# Altium PCB SCAP-PI.PcbDoc (continued)
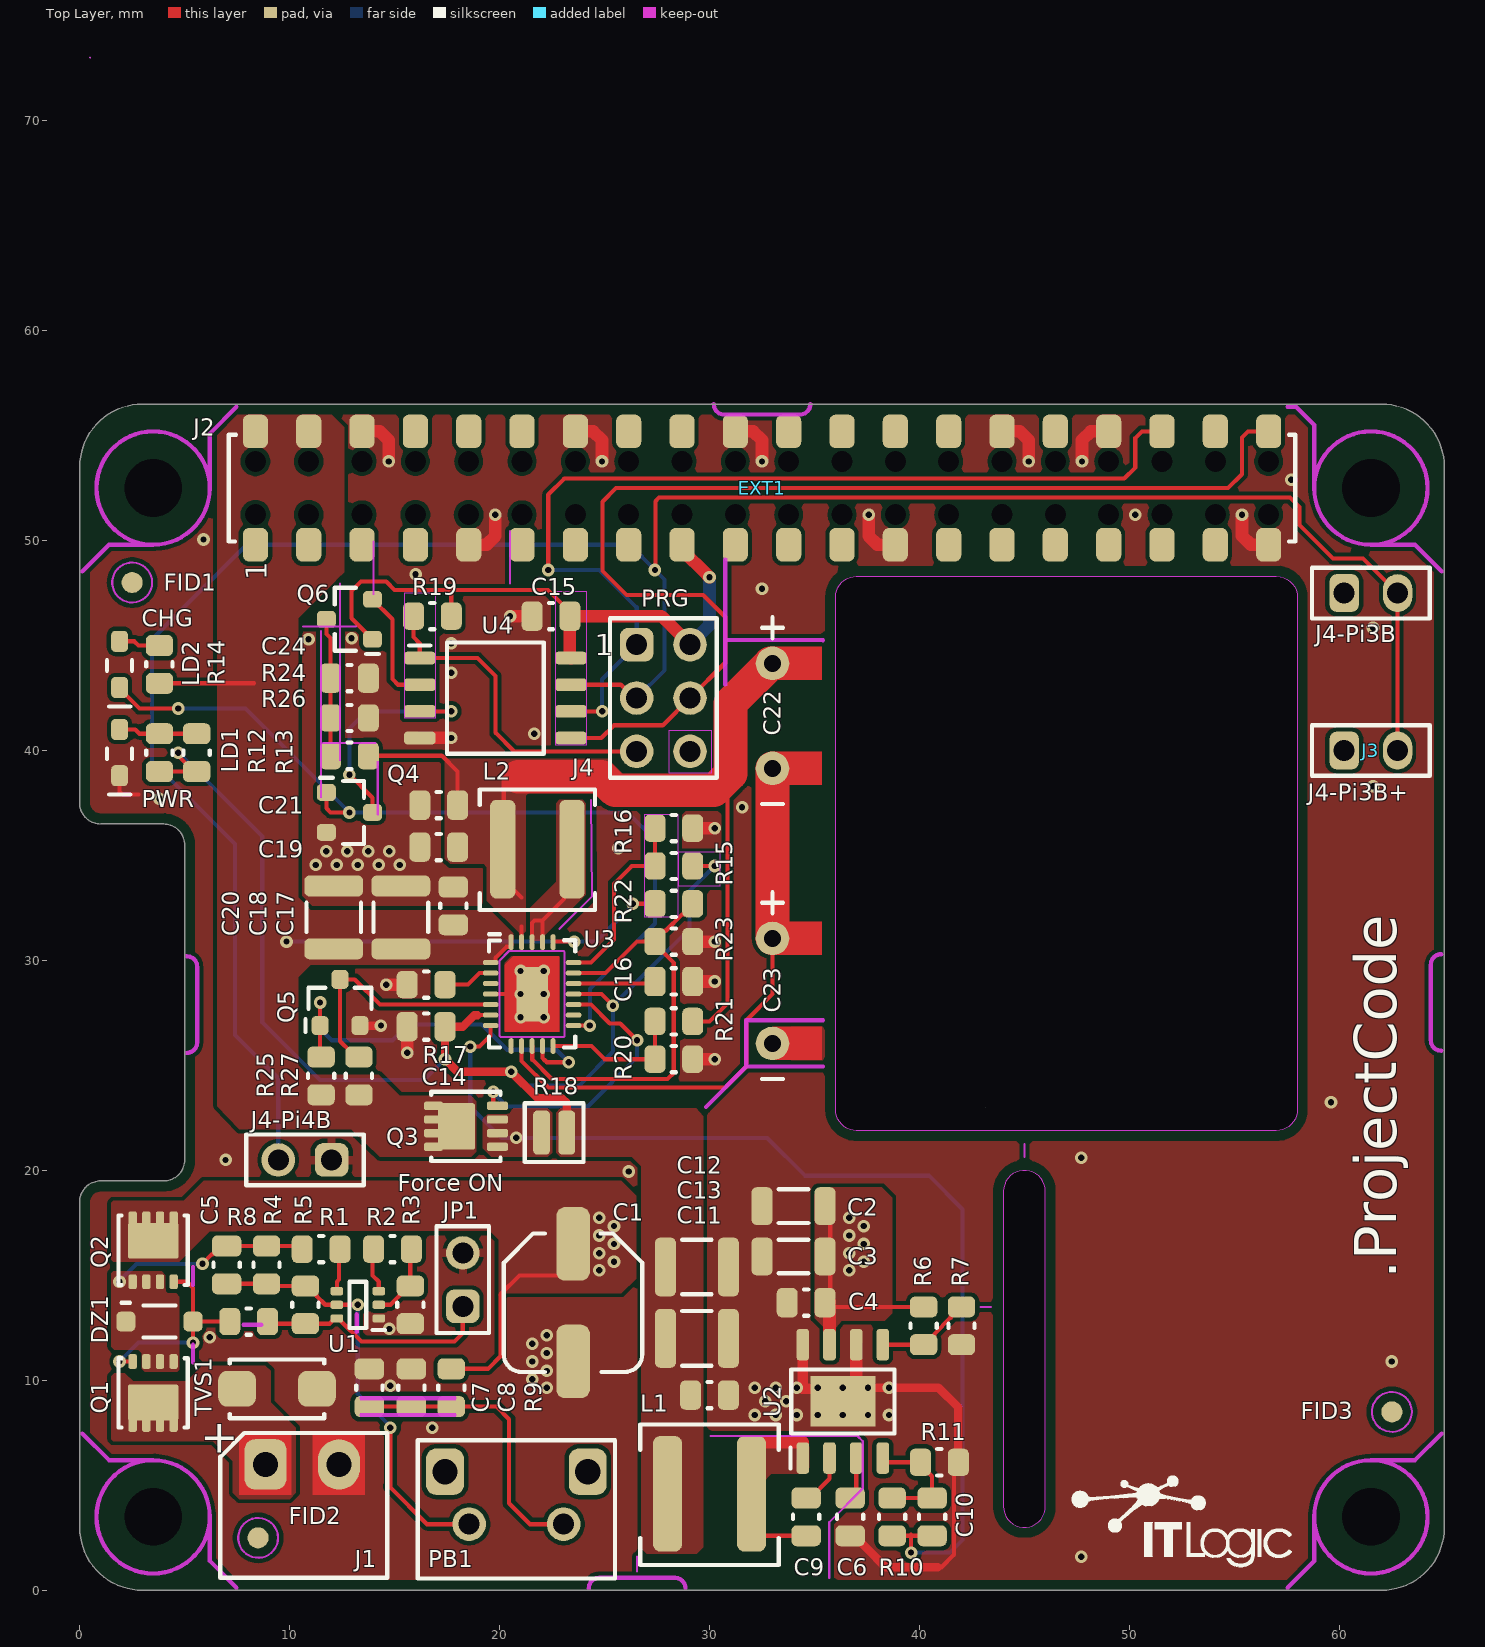
[diagram p0: Top Layer view]
## Footprints (in the part's own frame and the unit in brackets; to place one, negate y for a bottom-side part, rotate by r counter-clockwise, add the part's x,y. Pads: shape width x height; smd on the part's side, far side on the other; paste and mask are expansions set on the pad)
691322110002 [mm] "Conn Term Block Header 2 Pos 3.5 mm"
  rrect50% 2x2.4 hole 1.2: 1(-1.75,0)
  oval 2x2.4 hole 1.2: 2(1.75,0)
  silkscreen extent -3.9,-5.4 4.05,1.5, body extent -4.05,-8 4.05,1.2, height 7.23
BUT-1-1825027-4 [mm] "Button 1-1825027-4"
  round 1.6 hole 1: 1(-2.25,0) 2(2.25,0)
  rrect50% 1.8x2.2 hole 1.2: S(-3.4,2.5) S(3.4,2.5)
  silkscreen extent -4.7,-2.59 4.7,4, body extent -4.2,-6.15 4.2,4, height 7.02
C0805-H10 [mm] "Chip Capacitor, 2-Leads, Body 2.00x1.25mm, IPC Medium Density"
  rrect50% 1x1.4 smd: 1(-0.9,0) 2(0.9,0)
  silkscreen extent -0.1,-0.62 0.1,0.63, body extent -1,-0.62 1,0.63, height 1
C0805-H140 [mm] "Chip Capacitor, 2-Leads, Body 2.00x1.25mm, IPC Medium Density"
  rrect50% 1x1.4 smd: 1(-0.9,0) 2(0.9,0)
  silkscreen extent -0.1,-0.62 0.1,0.63, body extent -1,-0.62 1,0.63, height 1.4
C1206-H180 [mm] "Chip Capacitor, 2-Leads, Body 3.20x1.60mm, IPC Medium Density"
  rrect50% 1x1.8 smd: 1(-1.5,0) 2(1.5,0)
  silkscreen extent -0.7,-0.8 0.7,0.8, body extent -1.6,-0.8 1.6,0.8, height 1.8
C1210-H250 [mm] "Chip Capacitor, 2-Leads, Body 3.10x2.60mm, IPC Medium Density"
  rrect50% 1x2.8 smd: 1(-1.5,0) 2(1.5,0)
  silkscreen extent -0.7,-1.3 0.7,1.3, body extent -1.6,-1.25 1.6,1.25, height 2.5
C-AE-C6-H60 [mm] "Aluminum Electrolytic Capacitor, Body D 6.3mm H 6.0mm, IPC Medium Density"
  rrect50% 3.5x1.6 smd: 1(-2.8,0) 2(2.8,0)
  silkscreen extent -3.3,-3.3 3.3,3.3, body extent -3.65,-3.3 3.65,3.3, height 5.91
C-SCCT20B106PRB-ORIZ [mm] "Supercapacitors AVX 20x12.5 mm Orizontal Bottom Side"
  round 1.6 hole 0.8: 1(0,2.5) 2(0,-2.5)
  silkscreen extent -0.5,-4.2 0.5,4.7, body extent -0.3,-6.5 24.8,6.5, height 4.5
"DO-214AC-SMA-NO POL" [mm] "Molded Diode, 2-Leads, Body 4.25x2.67mm, IPC Medium Density"
  rrect50% 1.8x1.7 smd: 1(-1.9,0) 2(1.9,0)
  silkscreen extent -2.25,-1.4 2.25,1.4, body extent -2.47,-1.38 2.47,1.41, height 2.3
FID-1-2MM [mm] "Fiducial 1.0mm Diameter, 2.0mm Mask"
  round 1 smd paste-1 mask+0.5: F(0,0)
  Top Layer keep-out circle w0.1: c0,0 r0.95
HDR-V-1R-02P-5.8L [mm] "Breakaway Header - Vert - 1 Row - 2 Pos - 6 mm Lenght"
  rrect50% 1.6x1.6 hole 1: 1(0,1.27)
  round 1.6 hole 1: 2(0,-1.27)
  silkscreen extent -1.25,-2.54 1.25,2.54, body extent -1.25,-2.54 1.25,2.54, height 8.35
HDR-V-2R-03P-5.8L [mm] "Breakaway Header - Vert - 2 Row - 3 Pos - 6 mm Lenght"
  rrect50% 1.6x1.6 hole 1: 1(-1.27,2.54)
  round 1.6 hole 1: 2(1.27,2.54) 3(-1.27,0) 4(1.27,0) 5(-1.27,-2.54) 6(1.27,-2.54)
  silkscreen extent -2.54,-3.8 2.54,3.8, body extent -2.52,-3.81 2.52,3.81, height 8.35
HLE-120-02-F-DV-BE [mm] "BPost Socket Header Vert - 2 Row - 20 Pos - 10 mm Lenght"
  rrect50% 1.6x1.2 smd: 1(-2.7,24.13) 2(2.7,24.13) 3(-2.7,21.59) 4(2.7,21.59) 5(-2.7,19.05) 6(2.7,19.05) 7(-2.7,16.51) 8(2.7,16.51) 9(-2.7,13.97) 10(2.7,13.97) 11(-2.7,11.43) 12(2.7,11.43) 13(-2.7,8.89) 14(2.7,8.89) 15(-2.7,6.35) 16(2.7,6.35) 17(-2.7,3.81) 18(2.7,3.81) 19(-2.7,1.27) 20(2.7,1.27) 22(2.7,-1.27) 23(-2.7,-3.81) 24(2.7,-3.81) 25(-2.7,-6.35) 26(2.7,-6.35) 27(-2.7,-8.89) 28(2.7,-8.89) 29(-2.7,-11.43) 30(2.7,-11.43) 31(-2.7,-13.97) 32(2.7,-13.97) 33(-2.7,-16.51) 34(2.7,-16.51) 35(-2.7,-19.05) 36(2.7,-19.05) 37(-2.7,-21.59) 38(2.7,-21.59) 39(-2.7,-24.13) 40(2.7,-24.13)
  rrect50% 1.6x1.2 smd mask+0.05: 21(-2.7,-1.27)
  round 0 hole 1 unplated: ""(-1.27,24.13) ""(-1.27,21.59) ""(-1.27,16.51) ""(-1.27,19.05) ""(-1.27,13.97) ""(-1.27,11.43) ""(-1.27,8.89) ""(-1.27,6.35) ""(-1.27,3.81) ""(-1.27,-1.27) ""(-1.27,1.27) ""(-1.27,-3.81) ""(-1.27,-6.35) ""(-1.27,-8.89) ""(-1.27,-11.43) ""(-1.27,-13.97) ""(-1.27,-19.05) ""(-1.27,-16.51) ""(-1.27,-21.59) ""(-1.27,-24.13) ""(1.27,24.13) ""(1.27,21.59) ""(1.27,16.51) ""(1.27,19.05) ""(1.27,13.97) ""(1.27,11.43) ""(1.27,8.89) ""(1.27,6.35) ""(1.27,3.81) ""(1.27,-1.27) ""(1.27,1.27) ""(1.27,-3.81) ""(1.27,-6.35) ""(1.27,-8.89) ""(1.27,-11.43) ""(1.27,-13.97) ""(1.27,-19.05) ""(1.27,-16.51) ""(1.27,-21.59) ""(1.27,-24.13)
  silkscreen extent -2.54,-25.4 2.54,25.4, body extent -3.29,-25.4 3.29,25.4, height 3.67
IND-XAL5030 [mm] "Inductor - Coilcraft XAL5030 Series"
  rrect50% 1.2x4.7 smd: 1(-1.65,0) 2(1.65,0)
  silkscreen extent -2.74,-2.84 2.74,2.9, body extent -2.74,-2.84 2.74,2.84, height 3.11
IND-XAL6060 [mm] "Inductor - Coilcraft XAL6060 Series"
  rrect50% 1.4x5.5 smd: 1(-2,0) 2(2,0)
  silkscreen extent -3.3,-3.3 3.3,3.4, body extent -3.28,-3.38 3.28,3.38, height 6.11
LED-0805-G-SIDE [mm] "Chip LED, Green, 2-Leads, Side View, Body 2.00x1.25mm, IPC Medium Density"
  rrect50% 0.8x1 smd: 1(0,1.1) 2(0,-1.1)
  silkscreen extent -0.6,-0.2 0.6,2, body extent -0.25,-1.05 0.77,1.05, height 0.6
LED-0805-Y-SIDE [mm] "Chip LED, Yellow, 2-Leads, Side View, Body 2.00x1.25mm, IPC Medium Density"
  rrect50% 0.8x1 smd: 1(0,1.1) 2(0,-1.1)
  silkscreen extent -0.6,-0.2 0.6,2, body extent -0.25,-1.05 0.77,1.05, height 0.6
PowerDI3333-8-S [mm] "PowerDI3333-8 Single"
  rrect50% 0.7x0.4 smd paste-0.04: 1(-1.5,0.975) 1(-1.5,-0.325) 1(-1.5,0.325) 2(-1.5,-0.975) 3(1.5,0.975) 3(1.5,-0.325) 3(1.5,0.325) 3(1.5,-0.975)
  rrect10% 1.7x2.4 smd paste-2.4: 3(0.45,0)
  silkscreen extent -1.65,-1.65 1.65,1.65, body extent -1.65,-1.65 1.65,1.65, height 0.82
POWERPAK-1212-8-S [mm] "PowerPAK 1212-8 Single"
  rrect50% 1x0.4 smd: 1(-1.5,0.975) 1(-1.5,-0.325) 1(-1.5,0.325) 2(-1.5,-0.975)
  rrect10% 1.75x2.2 smd paste-2.2: 3(0.45,0)
  rrect50% 0.9x0.4 smd: 3(1.55,0.975) 3(1.55,-0.325) 3(1.55,0.325) 3(1.55,-0.975)
  silkscreen extent -1.65,-1.65 1.65,1.65, body extent -1.65,-1.65 1.65,1.65, height 1.04
QFN-50x40-24-THP [mm] "QFN, 24-Leads, Body 4.00x5.00mm, Pitch 0.50mm, Thermal Pad 2.65x3.65mm, IPC Medium Density"
  oval 0.75x0.25 smd paste-0.04: 1(-1.975,1.5) 2(-1.975,1) 3(-1.975,0.5) 4(-1.975,0) 5(-1.975,-0.5) 6(-1.975,-1) 7(-1.975,-1.5) 13(1.975,-1.5) 14(1.975,-1) 15(1.975,-0.5) 16(1.975,0) 17(1.975,0.5) 18(1.975,1) 19(1.975,1.5)
  oval 0.25x0.75 smd paste-0.04: 8(-1,-2.475) 9(-0.5,-2.475) 10(0,-2.475) 11(0.5,-2.475) 12(1,-2.475) 20(1,2.475) 21(0.5,2.475) 22(0,2.475) 23(-0.5,2.475) 24(-1,2.475)
  rect 1.5x2.6 smd paste-2.6: 25(0,0)
  Top Layer region: -1.3,-1.75 -1.296,-1.769 -1.285,-1.785 -1.269,-1.796 -1.25,-1.8 -1.25,-1.8 1.25,-1.8 1.269,-1.796 1.285,-1.785 1.296,-1.769 1.3,-1.75 1.3,-1.75 1.3,1.75 1.296,1.769 1.285,1.785 1.269,1.796 1.25,1.8 1.25,1.8 -0.9,1.8 -1.3,1.4
  silkscreen extent -2.06,-2.55 2.05,2.85, body extent -2.06,-2.56 2.06,2.56, height 0.8
R0508-H60 [mm] "Chip Resistor, 2-Leads, Body 1.25x2.00mm, IPC Medium Density"
  rrect50% 0.8x2.1 smd: 1(-0.6,0) 2(0.6,0)
  silkscreen extent -1.4,-1.4 1.4,1.4, body extent -0.63,-1 0.63,1, height 0.6
R0805-H60 [mm] "Chip Resistor, 2-Leads, Body 2.00x1.25mm, IPC Medium Density"
  rrect50% 1x1.3 smd: 1(-0.9,0) 2(0.9,0)
  silkscreen extent -0.1,-0.62 0.1,0.63, body extent -1,-0.62 1,0.63, height 0.6
SOD-123 [mm] "SOD 123"
  rrect50% 0.9x0.95 smd: 1(-1.6,0) 2(1.6,0)
  silkscreen extent -1.8,-0.76 0.76,0.9, body extent -1.85,-0.77 1.85,0.78, height 1.26
SOIC-8-N-HT [mm] "SOIC 8 Pin - Thermal Pad - TI R-PDSO-G8"
  rrect50% 1.5x0.6 smd: 1(-2.7,1.905) 2(-2.7,0.635) 3(-2.7,-0.635) 4(-2.7,-1.905) 5(2.7,-1.905) 6(2.7,-0.635) 7(2.7,0.635) 8(2.7,1.905)
  rect 2.4x3.1 smd paste-3.1 mask+0: 9(0,0)
  silkscreen extent -3.2,-2.46 1.52,2.5, body extent -3,-2.45 3,2.45, height 1.57
SOIC-8-W [mm] "SOIC, 8-Leads, Body 5.20x5.30mm, Pitch 1.27mm, IPC Medium Density"
  rrect50% 1.5x0.6 smd: 1(-3.6,1.905) 2(-3.6,0.635) 3(-3.6,-0.635) 4(-3.6,-1.905) 5(3.6,-1.905) 6(3.6,-0.635) 7(3.6,0.635) 8(3.6,1.905)
  silkscreen extent -4.1,-2.65 2.3,2.65, body extent -3.98,-2.65 3.98,2.65, height 2.1
SOT-23 [mm] "SOT23, 3-Leads, Body 2.90x2.45mm, Pitch 0.95mm, IPC Medium Density"
  rrect50% 0.9x0.8 smd: 1(-1.1,0.95) 2(-1.1,-0.95) 3(1.1,0)
  silkscreen extent -1.4,-1.5 0.7,1.65, body extent -1.25,-1.5 1.25,1.5, height 1.1
SOT-363 [mm] "SOT-363"
  rrect50% 0.6x0.4 smd: 1(-1,0.65) 2(-1,0) 3(-1,-0.65) 4(1,-0.65) 5(1,0) 6(1,0.65)
  silkscreen extent -1.3,-1.1 0.4,1.2, body extent -1.05,-1.07 1.05,1.08, height 1.1
SSQ-102-01-S-BOTTOM [mm] "BPost Socket Header Vert - 1 Row - 2 Pos - 3 mm Lenght"
  rrect50% 1.4x1.8 hole 1: 1(-1.27,0)
  oval 1.4x1.8 hole 1: 2(1.27,0)
  silkscreen extent -2.8,-1.21 2.8,1.21, body extent -2.79,-1.21 2.79,1.21, height 8.52
SSQ-120-03-D-BOTTOM [mm] "BPost Socket Header Vert - 2 Row - 20 Pos - 10 mm Lenght"
  body extent -2.48,-25.65 2.48,25.65, height 8.52

## Part data
C1: library part EEE-FT1V101AP, "Cap Electrolytic Alu 100uF 300V 20% (5.8 X 6.1mm) SMD 600mA 2000h 105C", Capacitance=100uF, Case=D8, Manufacturer=Panasonic, Resistance=0.26R, Voltage Rating=35V, ComponentLink1Description="Data Sheet", ComponentLink1URL=https://industrial.panasonic.com/cdbs/www-data/pdf/RDE0000/ABA0000C1240.pdf, Manufacturer Part Number=EEE-FT1V101AP, Mount="Surface Mount"
C2 C3: library part GRT31CR61H106ME01L, "Cap 1206 Case Ceramic 10uF 50V X5S 20%", Capacitance=10uF, Case=1206, Dielectric=X5R, Manufacturer=Murata, Voltage Rating=50V, ComponentLink1Description="Data Sheet", ComponentLink1URL=https://www.mouser.com/datasheet/2/400/lcc_commercial_general_en-837201.pdf, Manufacturer Part Number=GRT31CR61H106ME01L, Mount="Surface Mount"
C4 C7 C8 C9 C11 C15 C16 C17 C19 C24: library part C0805C104K5RACTU, "Cap 0805 Case Ceramic 100nF 50V X7R", Case=0805, Dielectric=X7R, Manufacturer=KEMET, Voltage Rating=50V, Capacitance=100nF, ComponentLink1Description="Data Sheet", ComponentLink1URL=https://datasheet.ciiva.com/14589/70095383-14589048.pdf, Manufacturer Part Number=C0805C104K5RACTU, Mount="Surface Mount"
C5: library part C0805C103K5RACTU, "Cap 0805 Case Ceramic 10nF 50V X7R", Case=0805, Dielectric=X7R, Manufacturer=KEMET, Voltage Rating=50V, Capacitance=10nF, ComponentLink1Description="Data Sheet", ComponentLink1URL=https://datasheet.ciiva.com/5904/kem-c1002-x7r-smd-5904709.pdf, Manufacturer Part Number=C0805C103K5RACTU, Mount="Surface Mount"
C6 C14 C21: library part C0805C225K4RACTU, "Cap 0805 Case Ceramic 2.2uF 16V X7R 10%", Capacitance=22uF, Case=0805, Dielectric=X7R, Manufacturer=KEMET, Voltage Rating=16V, ComponentLink1Description="Data Sheet", ComponentLink1URL=http://components.arrow.com/part/dataview/0323_07281823, Manufacturer Part Number=C0805C225K4RACTU, Mount="Surface Mount"
C10: library part C0805C510K5GACTU, "Cap 0805 Case Ceramic 51pF 50V C0G 10%", Case=0805, Dielectric=C0G, Manufacturer=KEMET, Voltage Rating=50V, Capacitance=51pF, ComponentLink1Description="Data Sheet", ComponentLink1URL=https://www.mouser.com/datasheet/2/212/KEM_C1003_C0G_SMD-1101588.pdf, Manufacturer Part Number=C0805C510K5GACTU, Mount="Surface Mount"
C12 C13 C18 C20: library part GRM32ER61A107ME20L, "Cap 1210 Case Ceramic 100uF 10V X5S 20%", Capacitance=100uF, Case=1210, Dielectric=X5R, Manufacturer=Murata, Voltage Rating=10V, ComponentLink1Description="Data Sheet", ComponentLink1URL=https://www.mouser.com/datasheet/2/400/lcc_commercial_general_en-837201.pdf, Manufacturer Part Number=GRM32ER61A107ME20L, Mount="Surface Mount"
C22 C23: library part SCCT20E106SRB, "Cap Super 10F 3.0V (20 X 12.5mm) ESR 50mOhm", Manufacturer=AVX, Resistance=0.05R, Voltage Rating=3.0V, Capacitance=10F, ComponentLink1Description="Data Sheet", ComponentLink1URL=https://datasheet.ciiva.com/3773/41677623s8437994n1386-3773397.pdf, Manufacturer Part Number=SCCT20E106SRB, Mount="Through Hole"
DZ1: library part BZT52C10-E3-08, "Diode Zener Single 10V 5% 400mW SOD-123", Case=SOD-123, Manufacturer="Vishay Semiconductors", ComponentLink1Description="Data Sheet", ComponentLink1URL=https://www.vishay.com/docs/85760/bzt52.pdf, Manufacturer Part Number=BZT52C10-E3-08, Mount="Surface Mount", Voltage Rating=10V
EXT1: "Conn Post Socket Header Vert - 2 Row - 20 Pos - 10 mm Lenght - Tin", Current Rating=3A, Manufacturer=Samtec, Manufacturer Part Number=SSQ-120-03-T-D, ComponentLink1Description="Data Sheet", ComponentLink1URL=https://datasheet.ciiva.com/717/eng-cd-146256-g-146256-c-dwg-717712.pdf, Mount="Free Hanging"
FID1 FID2 FID3: library part FID-1-2MM, "Fiducial 1.0mm Diameter, 2.0mmil Mask"
J1: library part 691322110002, "Conn Term Block Header 2 Pos 3.5 mm", Current Rating=10A, Manufacturer="Wurth Electronics", Voltage Rating=300V, ComponentLink1Description="Data Sheet", ComponentLink1URL=https://datasheet.ciiva.com/8043/1442234-8043560.pdf, Manufacturer Part Number=691322110002, Mount="Through Hole"
J2: library part HLE-120-02-F-DV-BE, "Conn Socket Header Vert - 2 Row - 20 Pos - SMD", Current Rating=3A, Manufacturer=Samtec, ComponentLink1Description="Data Sheet", ComponentLink1URL=https://datasheet.ciiva.com/717/eng-cd-146256-g-146256-c-dwg-717712.pdf, Manufacturer Part Number=HLE-120-02-F-DV-BE, Mount="Surface Mount"
J3: library part SSQ-102-01-T-S, "Conn Post Socket Header Vert - 1 Row - 2 Pos - 3 mm Lenght - Tin", Current Rating=3A, Manufacturer=Samtec, ComponentLink1Description="Data Sheet", ComponentLink1URL=https://datasheet.ciiva.com/717/eng-cd-146256-g-146256-c-dwg-717712.pdf, Manufacturer Part Number=SSQ-102-01-T-S, Mount="Through Hole"
J4: library part 5-146256-3, "Breakaway Header Vert - 2 Row - 3 Pos - 6 mm Lenght - Gold", Current Rating=3A, Manufacturer="TE Connectivity", ComponentLink1Description="Data Sheet", ComponentLink1URL=https://datasheet.ciiva.com/16290/eng-cd-146256-f2-16290485.pdf, Manufacturer Part Number=5-146256-3, Mount="Through Hole"
JP1: library part 22-28-4023, "Breakaway Header Vert - 1 Row - 2 Pos - 6 mm Lenght - Gold", Current Rating=4A, Manufacturer=Molex, Voltage Rating=250V, ComponentLink1Description="Data Sheet", ComponentLink1URL=https://datasheet.ciiva.com/10088/0022284023-pcb-headers-10088337.pdf, Manufacturer Part Number=22-28-4023, Mount="Through Hole"
L1: library part XAL6060-103MEB, "Inductor Power XAL60 Series, 10uH, 7.6A,  Shielded, 27 mOhm, SMD", Manufacturer=Coilcraft, ComponentLink1Description="Data Sheet", ComponentLink1URL=https://www.coilcraft.com/xal50xx.cfm, Inductance=10µH, Manufacturer Part Number=XAL6060-103MEB, Mount="Surface Mount"
L2: library part XAL5030-222MEB, "Inductor Power SRP6540 Series, 2.2uH, 9.7A,  Shielded, 0.0132 ohm, SMD", Inductance=2.2uH, Manufacturer=Coilcraft, ComponentLink1Description="Data Sheet", ComponentLink1URL=https://www.coilcraft.com/xal50xx.cfm, Manufacturer Part Number=XAL5030-222MEB, Mount="Surface Mount"
LD1: "LED 0805 Side Green 569nm 2-Pin", Case=0805, Manufacturer="Vishay Lite-On", ComponentLink1Description="Data Sheet", ComponentLink1URL=https://www.tme.eu/Document/34ab2c4b8c99e859d5012ee3f8356040/LTST-S220GKT.pdf, Manufacturer Part Number=LTST-S220KGKT, Mount="Surface Mount"
LD2: "LED 0805 Side Yellow 588nm 2-Pin", Case=0805, Manufacturer="Vishay Lite-On", ComponentLink1Description="Data Sheet", ComponentLink1URL=https://www.mouser.com/datasheet/2/239/Lite-On-LTST-S220KSKT-1175446.pdf, Manufacturer Part Number=LTST-S220KSKT, Mount="Surface Mount"
PB1: library part 1-1825027-4, "Tactile Switch, Round Stem, Color ivory, Lenght 3.55mm, Right Angle, Through Hole.", Current Rating="50 mA", Manufacturer="TE Connectivity", Voltage Rating=24V, ComponentLink1Description="Data Sheet", ComponentLink1URL=https://www.mouser.com/datasheet/2/418/NG_CD_1825027_G4-659945.pdf, Manufacturer Part Number=1-1825027-4, Mount="Through Hole"
Q1 Q2: "Mosfet P 60V Vds 20V Vgs 25mOhm PowerDI3333-8", Case=PowerDI3333-8, Manufacturer="Diodes Incorporated", ComponentLink1Description="Data Sheet", ComponentLink1URL=https://www.diodes.com/assets/Datasheets/DMP6023LFG.pdf, Manufacturer Part Number=DMP6023LFG, Mount="Surface Mount"
Q3: "Mosfet 30V Vds 20V Vgs 5.4mOhm PowerPAK 1212-8", Case="PowerPAK 1212-8", Manufacturer=Vishay, ComponentLink1Description="Data Sheet", ComponentLink1URL=https://www.vishay.com/docs/76062/sisa88dn.pdf, Manufacturer Part Number=SISA88DN-T1-GE3, Mount="Surface Mount"
Q4 Q5 Q6: "Mosfet N 50V Vds 20V Vgs ESD 1.4R SOT-23", Case=SOT-23, Manufacturer=Diodes, ComponentLink1Description="Data Sheet", ComponentLink1URL=https://www.diodes.com/assets/Datasheets/BSS138K.pdf, Manufacturer Part Number=BSS138K-13, Mount="Surface Mount"
R1 R2 R3 R24 R27: library part RC0805FR-07100KL, "Resistor 0805 Case 100KR 1% 1/8W", Case=0805, Manufacturer=Yageo, Resistance=100kR, Voltage Rating=150V, ComponentLink1Description="Data Sheet", ComponentLink1URL=https://datasheet.ciiva.com/2457/pyu-r-int-thick-7-2457017.pdf, Manufacturer Part Number=RC0805FR-07100KL, Mount="Surface Mount"
R4 R12 R13 R14 R19: library part RC0805FR-074K7L, "Resistor 0805 Case 4.7KR 1% 1/8W", Case=0805, Manufacturer=Yageo, Resistance=4.7kR, Voltage Rating=150V, ComponentLink1Description="Data Sheet", ComponentLink1URL=https://datasheet.ciiva.com/11808/0900766b8106beab-11808155.pdf, Manufacturer Part Number=RC0805FR-074K7L, Mount="Surface Mount"
R5: library part RC0805FR-0710KL, "Resistor 0805 Case 10KR 1% 1/8W", Case=0805, Manufacturer=Yageo, Resistance=10kR, Voltage Rating=150V, ComponentLink1Description="Data Sheet", ComponentLink1URL=https://datasheet.ciiva.com/11808/0900766b8106beab-11808151.pdf, Manufacturer Part Number=RC0805FR-0710KL, Mount="Surface Mount"
R6 R8 R9 R20 R23 R26: library part RC0805FR-07200KL, "Resistor 0805 Case 200KR 1% 1/8W", Case=0805, Manufacturer=Yageo, Resistance=200kR, Voltage Rating=150V, ComponentLink1Description="Data Sheet", ComponentLink1URL=https://datasheet.ciiva.com/2457/pyu-r-int-thick-7-2457017.pdf, Manufacturer Part Number=RC0805FR-07200KL, Mount="Surface Mount"
R7 R16: library part RC0805FR-0739KL, "Resistor 0805 Case 39KR 1% 1/8W", Case=0805, Manufacturer=Yageo, Resistance=39KR, Voltage Rating=150V, ComponentLink1Description="Data Sheet", ComponentLink1URL=https://datasheet.ciiva.com/11808/0900766b8106beab-11808155.pdf, Manufacturer Part Number=RC0805FR-0739KL, Mount="Surface Mount"
R10: library part RC0805FR-0788K7L, "Resistor 0805 Case 88.7KR 1% 1/8W", Case=0805, Manufacturer=Yageo, Resistance=88.7kR, Voltage Rating=150V, ComponentLink1Description="Data Sheet", ComponentLink1URL=https://datasheet.ciiva.com/2457/pyu-r-int-thick-7-2457521.pdf, Manufacturer Part Number=RC0805FR-0788K7L, Mount="Surface Mount"
R11: library part RC0805FR-0722KL, "Resistor 0805 Case 22KR 1% 1/8W", Case=0805, Manufacturer=Yageo, Resistance=22kR, Voltage Rating=150V, ComponentLink1Description="Data Sheet", ComponentLink1URL=https://datasheet.ciiva.com/2457/pyu-r-int-thick-7-2457521.pdf, Manufacturer Part Number=RC0805FR-0722KL, Mount="Surface Mount"
R15: library part RC0805FR-07120KL, "Resistor 0805 Case 120KR 1% 1/8W", Case=0805, Manufacturer=Yageo, Resistance=120kR, Voltage Rating=150V, ComponentLink1Description="Data Sheet", ComponentLink1URL=https://datasheet.ciiva.com/2457/pyu-r-int-thick-7-2457752.pdf, Manufacturer Part Number=RC0805FR-07120KL, Mount="Surface Mount"
R17: library part RC0805FR-071KL, "Resistor 0805 Case 1KR 1% 1/8W", Case=0805, Manufacturer=Yageo, Resistance=1kR, Voltage Rating=150V, ComponentLink1Description="Data Sheet", ComponentLink1URL=https://datasheet.ciiva.com/2456/pyu-r-int-thick-7-2456976.pdf, Manufacturer Part Number=RC0805FR-071KL, Mount="Surface Mount"
R18: library part KRL2012E-M-R010-F-T5, "Resistor 0508 Case 10mR 1% 1/2W Current Sense", Case=0508, Manufacturer=Susumu, Resistance=10mR, Voltage Rating=10V, ComponentLink1Description="Data Sheet", ComponentLink1URL=https://datasheet.ciiva.com/2484/wsr-2484454.pdf, Manufacturer Part Number=KRL2012E-M-R010-F-T5, Mount="Surface Mount"
R21 R22: library part RC0805FR-071M05L, "Resistor 0805 Case 1.05MR 1% 1/8W", Case=0805, Manufacturer=Yageo, Resistance=1.05MR, Voltage Rating=150V, ComponentLink1Description="Data Sheet", ComponentLink1URL=https://datasheet.ciiva.com/2457/pyu-r-int-thick-7-2457017.pdf, Manufacturer Part Number=RC0805FR-071M05L, Mount="Surface Mount"
R25: library part RC0805FR-0722K1L, "Resistor 0805 Case 22.1KR 1% 1/8W", Case=0805, Manufacturer=Yageo, Resistance=22.1kR, Voltage Rating=150V, ComponentLink1Description="Data Sheet", ComponentLink1URL=https://datasheet.ciiva.com/2457/pyu-r-int-thick-7-2457521.pdf, Manufacturer Part Number=RC0805FR-0722K1L, Mount="Surface Mount"
TVS1: library part SMAJ26CA, "TVS Diode Bidirectional 26Vs, 42.1Vc, 9.5 Amp, SMA", Case=SMA, Manufacturer=Littelfuse, ComponentLink1Description="Data Sheet", ComponentLink1URL=https://datasheet.ciiva.com/332/littelfuse-tvs-diode-smdj-datasheet-pdf-332997.pdf, Manufacturer Part Number=SMAJ26CA, Mount="Surface Mount"
U1: "Transistor Complementary Dual 40V  200mA SOT-363", Case=SDIP-6, Manufacturer="ON Semiconductor", ComponentLink1Description="Data Sheet", ComponentLink1URL=https://datasheet.ciiva.com/1249/683405-1249888.pdf, Manufacturer Part Number=MBT3946DW1T1G, Mount="Surface Mount"
U2: "Conv DC-DC Sync Step-Down 36V 3A 9-Pin(8+Pab) HSOIC-8", Case=HSOIC-8, Manufacturer="Texas Instruments", ComponentLink1Description="Data Sheet", ComponentLink1URL=http://www.ti.com/lit/ds/symlink/lmr23630.pdf, Manufacturer Part Number=LMR23630AFDDAR, Mount="Surface Mount"
U3: "Power Management 2.5A Supercapacitor Backup Buck Converter and Charger", Case=QFN-24, Manufacturer="Analog Devices", ComponentLink1Description="Data Sheet", ComponentLink1URL=http://www.ti.com/lit/ds/symlink/lmr23630.pdf, Manufacturer Part Number=LTC4041IUFD#PBF, Mount="Surface Mount"
U4: "AVR MCU8-bit ATTiny - 2kB Flash 0.128kB EEPROM 6 I/O Pins - SOIC-8-W", Case=SOIC-8-W, Frequency=20MHz, Manufacturer=Microchip, ComponentLink1Description="Data Sheet", ComponentLink1URL=http://ww1.microchip.com/downloads/en/DeviceDoc/PIC16-L-F15313_23-Data-Sheet-40001897B.pdf, Manufacturer Part Number=ATTINY25-20SUR, Mount="Surface Mount"

## Free pads (board coordinates)
  rrect50% 1.6x1.6 hole 1: 1(12,20.5)
  rrect50% 1.4x1.8 hole 1: 1(60.23,47.5)
  round 1.6 hole 1: 2(9.46,20.5)
  oval 1.4x1.8 hole 1: 2(62.77,47.5)
  round 0 hole 2.75 unplated mask+1.5: ""(3.5,3.5) ""(3.5,52.5) ""(61.5,3.5) ""(61.5,52.5)

## Via types
v1: diameter 0.6, hole 0.3, Top Layer to Bottom Layer, tented both sides, 112 vias
v2: diameter 0.6, hole 0.3, Top Layer to Bottom Layer, tented bottom, 12 vias

## Nets (pads, with @x,y where several pads share a name; then routed paths per layer and width w, separated by ;. In a path a pad name is that pad's centre, name@x,y a point inside that pad or via, vN(x,y) a via of type N, cw(c..) or ccw(c..) an arc to the next point about the centre after c; other vN are vias at no path point)
+3.3VPi: C15.2 J2.17 J4.2 Q6.1 R19.1 U4.8 | length 29.3
  Top Layer w0.2: Q6.1 12.95,46.3 12.95,47.6 13.4,48.05 14.6,48.05 15,47.65 17.7,47.65 ; R19.1 17.7,47.65 ; C15.2 23.35,46.6 22.3,47.65 17.7,47.65
  Top Layer w0.6: U4.8 23.35,44.455 C15.2 27.71,46.4 J4.2 ; J2.17 28.69,49.56 29.9,48.35 v1(30,48.25)
  Bottom Layer w0.6: J4.2 30,45.97 v1(30,48.25)
+5V: C11.2 C12.2 C13.2 C14.2 L1.2 R12.2 R13.2 R15.2 R18.1 U3.6 U3.16 | length 59.6
  Top Layer w0.2: R12.2 R13.2@5.45,39 ; v1(4.7,39.9) 4.777,39.823 4.777,39.673 R13.2@5.45,39 ; R13.2 R13.2@5.45,39 ; 18.95,27.4 U3.6 ; U3.16 24.85,28.4 v1(25.4,27.85) ; R15.2 v1(30.25,34.5)
  Top Layer w0.4: 18.95,27.4 18.8,27.4 18.25,26.85 C14.2 v1(17.4,25.3) 18,24.7 v1(20.55,24.7) 21.8,23.45 22.95,23.45 23.2,23.2 R18.1
  Bottom Layer w0.2: v1(4.7,39.9) 8.7,35.9 8.7,27.05 11.45,24.3 16.4,24.3 v1(17.4,25.3) ; v1(20.55,24.7) 21.2,24.05 23.8,24.05 25.4,25.65 v1(25.4,27.85) 29.05,31.5 29.05,33.3 v1(30.25,34.5)
+5VUPS: C17.2 C18.2 C20.2 J2.2 J2.4 Q3.3 R14.1 R22.2 R25.2 R27.2 U3.1 U3.20 U3.24 | length 25.5
  Top Layer w0.2: R14.1 8.3,43.2 ; U3.1 19.777,29.9 19.801,29.923 19.801,30.126 20.324,30.649 20.527,30.649 20.55,30.673 U3.24 ; U3.20 22.575,30.9 v1(23.55,30.9) ; v1(26.35,32.7) R22.2
  Bottom Layer w0.2: v1(9.85,30.9) v1(23.55,30.9) 24.6,30.9 26.35,32.65 v1(26.35,32.7)
+24Safe: C5.2 DZ1.1 Q1.1 Q2.1 R1.1 R4.2 | length 9.5
  Top Layer w0.2: v1(5.85,15.55) 6.311,16.011 6.33,16.011 6.719,16.4 C5.2 R4.2 ; R4.2 10.45,16.4 R1.1
  Bottom Layer w0.2: v1@1.85,14.7 2.7,15.55 v1(5.85,15.55)
  other v1: 1.9,14.7
+24V: J1.1 Q1.3 TVS1.2
+24VCtrl: C1.1 C2.2 C3.2 C4.2 Q2.3 R6.2 R9.2 U2.7 | length 22.2
  Top Layer w0.2: R9.2 19.45,10.55 20.05,11.15 20.05,14.1 20.95,15 23.25,15 23.5,15.25 C1.1 ; C4.2@35.715,13.7 C4.2 35.7,13.5 35.715,13.5 R6.2 ; C4.2@35.715,13.765 35.75,13.8 C2.2@35.75,18.4
  Top Layer w0.6: U2.7 C4.2@35.715,13.5 ; C4.2@35.715,13.7 C4.2@35.715,13.765
  other v1: 24.75,15.25 36.65,15.25 25.45,15.65 37.35,15.65 24.75,16.05 36.65,16.05 25.45,16.5 37.35,16.5 24.75,16.9 36.65,16.9 25.45,17.35 37.35,17.35 24.75,17.75 36.65,17.75
ADCIN: Q6.2 U4.2 | length 5.6
  Top Layer w0.2: Q6.2 14.9,46.25 14.9,43.4 15.165,43.135 U4.2
BAL: C22.2 C23.1 U3.9 | length 27.1
  Top Layer w0.2: U3.9 21.05,25.219 22.319,23.95 30.75,23.95 31.75,24.95 31.75,27.15 33,28.4 C23.1
  Top Layer w1.6: C23.1 C22.2
BSTEN: Q5.3 R27.1 U3.5 | length 11.3
  Top Layer w0.2: R27.1@12.917,25.683 12.867,25.683 12.4,26.15 Q5.3 13.1,29.1 14.3,27.9 U3.5
BSTFB: R22.1 R23.2 U3.10 U3.18 | length 21.4
  Top Layer w0.2: U3.10 21.56,25.915 21.56,25.275 22.484,24.35 28,24.35 28.3,24.65 28.3,29.883 R23.2@27.4,30.783 ; U3.18 25.05,29.4 26.55,30.9 R23.2 ; R23.2@27.4,30.969 27.845,31.414 27.914,31.414 28.686,32.186 28.755,32.186 29.194,32.625 R22.1@29.2,32.625
CAPFB: R20.2 R21.1 U3.12 | length 6.9
  Top Layer w0.2: U3.12 24.375,25.925 25,25.3 R20.2 R21.1
CAPGD: LD2.1 Q4.1 U3.13 | length 41.2
  Top Layer w0.2: LD2.1 1.9,42.954 2.854,42 v1@4.55,42 ; Q4.1 11.75,37.25 11.95,37.05 v1(12.85,37.05) ; U3.13 v1(24.3,26.9)
  Bottom Layer w0.2: v1(4.7,42) 7.9,42 v1(12.85,37.05) 26.1,37.05 27.4,35.75 27.4,31.75 24.3,28.65 v1(24.3,26.9)
GND: C1.2 C2.1 C3.1 C4.1 C6.1 C7.1 C8.1 C11.1 C12.1 C13.1 C14.1 C15.1 C16.1 C17.1 C18.1 C19.1 C20.1 C21.1 C23.2 C24.1 J1.2 J2.6 J2.9 J2.14 J2.20 J2.25 J2.30 J2.34 J2.39 J4.6 JP1.2 LD1.1 pad.1@12,20.5 Q4.2 Q5.2 R3.1 R7.1 R11.1 R16.1 R17.1 R20.1 R23.1 R24.1 TVS1.1 U1.1 U2.6 U2.8 U2.9 U3.4 U3.25 U4.4 | length 55.7
  Top Layer w0.2: LD1.1 1.9,38.05 2.05,37.9 2.8,37.9 ; U3.4 v2(21,28.4) ; 40.861,1.1 41.05,1.1 41.65,1.7 41.65,5.8 R11.1@41.7,5.85
  Top Layer w0.4: Q5.2 v1(14.35,26.9) ; C6.1 36.9,2.6 37.45,2.05 37.45,2.039 38.389,1.1 40.861,1.1 ; v2(37.55,9.65) 40.9,9.65 41.85,8.7 R11.1
  Top Layer w0.5: U2.8@34.445,11.65 34.445,9.6 U2.9@35.15,9.6
  Top Layer w0.6: J2.6 14.3,55.2 14.72,54.78 v1(14.72,53.77) ; v1(14.6,28.85) R17.1 ; v1(15.6,25.6) C14.1 ; U4.4@16.2,40.6 v1(17.7,40.6) ; J2.9 19.38,49.8 19.8,50.22 v1(19.8,51.23) ; v1(20.5,46.4) C15.1 ; J2.14 24.46,55.2 24.88,54.78 v1(24.88,53.77) ; R20.1 v1(30.25,25.3) ; C16.1 v1(30.25,29) ; R23.1 v1(30.25,30.9) ; R16.1 v1(30.25,36.3) ; J2.20 32.08,55.2 32.5,54.78 v1(32.5,53.77) ; U2.9 U2.9@36.95,9.6 ; U2.9@36.985,9.635 U2.6 ; v1(37.58,51.23) 37.58,50.22 38,49.8 J2.25 ; J2.30 44.78,55.2 45.2,54.78 v1(45.2,53.77) ; v1(47.74,53.77) 47.74,54.78 48.16,55.2 J2.34 ; v1(55.36,51.23) 55.36,50.22 55.78,49.8 J2.39
  other v1: 47.7,1.6 16.8,7.75 32.15,8.35 33.15,8.35 34.15,8.35 38.55,8.35 32.65,9 33.65,9 22.25,9.65 32.15,9.65 33.15,9.65 34.15,9.65 38.55,9.65 14.8,9.75 21.55,10.05 22.25,10.45 21.55,10.9 62.5,10.9 22.25,11.3 21.55,11.75 6.2,12.05 22.25,12.15 14.75,12.45 26.15,19.95 6.95,20.5 47.7,20.6 59.6,23.25 11.25,34.55 12.25,34.55 13.25,34.55 14.25,34.55 15.251,34.55 11.75,35.2 12.75,35.2 13.75,35.2 14.751,35.2 25.65,35.35 31.55,37.3 3.8,37.7 61.6,38.3 21.65,40.8 17.7,43.7 17.7,45.1 10.9,45.3 12.95,45.35 61.6,45.85 32.5,47.7 16,48.4 5.9,50.05 50.28,51.23 57.7,52.9
  other v2: 35.15,8.35 36.35,8.35 37.55,8.35 35.15,9.65 36.35,9.65 21,27.3 22.1,27.3 22.1,28.4 21,29.5 22.1,29.5
MISO: J2.36 J4.1 U4.6 | length 47.3
  Top Layer w0.2: v1(22.32,48.6) 22.32,52.186 23.084,52.95 49.75,52.95 50.28,53.48 50.28,54.88 50.6,55.2 J2.36 ; U4.6 v1(24.885,41.865) ; J4.1@26.287,44.797 J4.1
  Bottom Layer w0.2: v1(22.32,48.6) 24.75,48.6 26.53,46.82 J4.1 24.885,43.395 v1(24.885,41.865)
MOSI: J2.40 J4.4 U4.5 | length 55.2
  Top Layer w0.2: U4.5 24.845,40.595 25.45,41.2 27.77,41.2 J4.4 30.75,44.18 30.75,46.35 29.7,47.4 26.05,47.4 24.9,48.55 24.9,51.85 25.55,52.5 54.7,52.5 55.36,53.16 55.36,54.91 55.65,55.2 J2.40
NetC6_2: C6.2 U2.3 | length 2
  Top Layer w0.2: C6.2 36.985,4.685 U2.3
NetC7_2: C7.2 C8.2 PB1.2 R9.1 | length 13.8
  Top Layer w0.2: C7.2 C8.2@15.7,8.75 ; C8.2 R9.1 19.85,8.75 20.45,8.15 20.45,4.15 21.45,3.15 PB1.2
NetC9_1: C9.1 U2.2 | length 2.5
  Top Layer w0.2: C9.1 34.8,4.4 35.715,5.315 U2.2
NetC9_2: C9.2 L1.1 U2.1 | length 8.8
  Top Layer w0.2: L1.1@32,5.969 L1.1 32,3.181 32.581,2.6 C9.2
  Top Layer w0.6: L1.1@32,7.05 34.445,7.05 U2.1
NetC10_1: C10.1 R10.1 R11.2 U2.4 | length 5.7
  Top Layer w0.2: U2.4 38.255,6.296 38.451,6.1 R11.2 40.05,5.983 40.6,5.433 C10.1 R10.1
NetC10_2: C10.2 Q3.1 R10.2 R18.2 U3.7 | length 51.3
  Top Layer w0.2: v1(18.6,25.9) 19.05,25.9 19.575,26.425 U3.7 ; R10.2 39.6,2.6 ; v1(39.6,1.8) 39.6,2.6 ; C10.2 39.65,2.6 ; 39.6,2.6 39.65,2.6 ; 39.6,2.6 39.6,2.65 39.65,2.6
  Bottom Layer w0.2: v1(18.6,25.9) 18.6,23.05 20.1,21.55 v1(20.8,21.55) 32.75,21.55 34.55,19.75 40.45,19.75 42.05,18.15 42.05,2.4 41.45,1.8 v1(39.6,1.8)
NetC16_2: C16.2 U3.17 | length 3.8
  Top Layer w0.2: U3.17 C16.2@27.3,28.9
NetC24_2: C24.2 Q6.3 R24.2 R26.1 | length 6.6
  Top Layer w0.2: Q6.3 11.75,45.55 11.95,45.35 C24.2 R26.1
NetDZ1_2: DZ1.2 Q1.2 Q2.2 R8.2 | length 9.9
  Top Layer w0.2: v1(1.9,10.9) Q1.2 ; Q2.2 5.1,14.7 5.4,14.4 DZ1.2 ; v1(5.4,11.8) DZ1.2 ; R8.2 DZ1.2
  Bottom Layer w0.2: v1(1.9,10.9) 2.8,11.8 v1(5.4,11.8)
NetJP1_1: JP1.1 R5.2 R8.1 U1.6 | length 11.4
  Top Layer w0.2: R8.1 9.05,12.7 R5.2 11.9,12.7 12.15,12.95 U1.6 12.35,12.95 12.45,12.85 12.45,12.817 13.417,11.85 17.85,11.85 18.25,12.25 JP1.1
NetL2_1: L2.1 U3.21 U3.22 | length 6.5
  Top Layer w0.2: U3.22 21.55,31.783 21.667,31.9 22.05,31.9 ; U3.21 22.05,31.9 ; L2.1 23.073,34.923 23.073,32.923 22.05,31.9
NetLD1_2: LD1.2 R12.1 R13.1 | length 3.8
  Top Layer w0.2: LD1.2 2.65,41 2.85,40.8 R12.1 R13.1
NetLD2_2: LD2.2 R14.2 | length 2
  Top Layer w0.2: LD2.2 2.6,45.2 2.8,45 R14.2
NetQ3_2: Q3.2 U3.15 | length 13.5
  Top Layer w0.2: v1(19.7,23.75) 19.7,23.15 19.775,23.075 Q3.2 ; U3.15 24.35,27.9 25.25,27 25.75,27 v1(26.55,26.2)
  Bottom Layer w0.2: v1(19.7,23.75) 19.7,23.7 20.35,23.05 24.2,23.05 26.55,25.4 v1(26.55,26.2)
NetR1_2: R1.2 U1.4 | length 2
  Top Layer w0.2: U1.4 12.25,14.7 12.35,14.8 R1.2@12.35,16.25
NetR2_1: R2.1 R3.2 U1.2 | length 3.7
  Top Layer w0.2: U1.2 14.8,13.6 15.211,14.011 15.211,14.03 15.681,14.5 R3.2 R2.1@15.75,16.3
NetR2_2: R2.2 U1.3 | length 2.2
  Top Layer w0.2: R2.2@13.95,16.3 13.95,15 14.25,14.7 U1.3
NetR6_1: R6.1 R7.2 U2.5 | length 4.6
  Top Layer w0.2: U2.5 R6.1 40.269,11.7 40.714,12.145 40.714,12.214 41.486,12.986 41.486,13.055 41.931,13.5 R7.2
NetR17_2: R17.2 U3.2 | length 2.4
  Top Layer w0.2: R17.2 18.5,28.85 19.05,29.4 U3.2
OnOff: C5.1 PB1.1 R4.1 R5.1 U1.5 | length 20.4
  Top Layer w0.2: C5.1 R4.1 ; R4.1@8.95,14.5 R5.1 ; R5.1@10.819,14.5 11.289,14.03 11.289,14.011 11.7,13.6 U1.5 v1(13.25,13.6) ; v1(14.8,7.75) 14.8,5 14.75,4.95 16.55,3.15 PB1.1
  Bottom Layer w0.2: v1(13.25,13.6) 13.25,9.35 14.8,7.8 v1(14.8,7.75)
PFI: R15.1 R16.2 U3.19 | length 9.1
  Top Layer w0.2: U3.19 24.35,29.9 25.45,31 25.45,33.65 26.3,34.5 R15.1 R16.2
PWFAIL: Q4.3 U4.3 | length 11.2
  Top Layer w0.2: v1(12.85,38.85) 13.95,37.75 Q4.3 ; U4.3@16.215,41.85 U4.3 v1(17.7,41.865)
  Bottom Layer w0.2: v1(12.85,38.85) 12.85,41.05 13.665,41.865 17.685,41.865 v1@17.7,41.85
RESET: J4.5 R19.2 U4.1 | length 15.9
  Top Layer w0.2: R19.2 15.9,45.4 16.2,45.1 U4.1 18.945,44.405 19.8,43.55 19.8,40.85 20.7,39.95 26.52,39.95 J4.5
SCAP: C19.2 C21.2 C22.1 L2.2 R21.2 R26.2 U3.23 | length 42.6
  Top Layer w0.2: R26.2 17.25,39.75 18,39 C21.2 ; 20.2,38.65 20.2,35.35 L2.2 20.15,33.9 21.05,33 ; U3.23@21.05,30.9 21.05,31.625 ; R21.2 30,27.1 30.85,27.95 30.85,29.249 ; 30.85,29.249 30.85,38.75 31,38.9
  Top Layer w1.6: 20.894,38.75 24.85,38.75 25.5,38.1 30.2,38.1 30.85,38.75 ; 31,38.9 31,42.25 32.9,44.15 C22.1
SCK: J3.2 J4.3 pad.2 U4.7 | length 112.4
  Top Layer w0.2: U4.7 25.775,43.135 26.41,42.5 J4.3 ; v1@27.42,48.62 27.4,48.64 27.42,48.66 27.42,51.87 27.6,52.05 57.65,52.05 58.1,51.6 58.1,50.75 59.7,49.15 61.12,49.15 62.77,47.5 J3.2
  Bottom Layer w0.2: pad.2@9.46,20.5 9.46,24.39 7.4,26.45 7.4,35.55 3.45,39.5 3.45,45.3 7.95,49.8 26.2,49.8 v1(27.4,48.6) 27.85,48.15 27.85,43.82 J4.3
SYSGD: Q5.1 R25.1 U3.11 | length 18.9
  Top Layer w0.2: v1(11.45,28) Q5.1 11.45,25.45 R25.1 ; U3.11 22.05,25.35 22.15,25.25 22.25,25.15 v1(23.3,25.15)
  Bottom Layer w0.2: v1(11.45,28) 11.45,26.75 12,26.2 14.9,26.2 15.65,26.95 19.15,26.95 20.35,25.75 22.7,25.75 v1(23.3,25.15)
pads on no net: FID1.F FID2.F FID3.F J2. J2.1 J2.3 J2.5 J2.7 J2.8 J2.10 J2.11 J2.12 J2.13 J2.15 J2.16 J2.18 J2.19 J2.21 J2.22 J2.23 J2.24 J2.26 J2.27 J2.28 J2.29 J2.31 J2.32 J2.33 J2.35 J2.37 J2.38 J3.1 PB1.S U3.3 U3.8 U3.14

## Polygon pours and split planes (outlines as drawn)
+24VCtrl on Top Layer "Top Layer+24VCTRL_P298" (solid, remove dead copper, pour order 297): 1.6,15.65 4.75,15.65 6.2,17.1 19.55,17.1 19.95,16.7 19.95,13.8 20.3,14.15 25.8,14.15 26.5,14.85 26.5,18.8 25.8,19.5 13.55,19.5 5.9,19.5 4.95,18.55 1.6,18.55 1.5,18.45 1.5,15.75
GND on Top Layer "Top Layer-GND 2" (solid, remove dead copper, pour order 301): 9.7,9.15 10.9,7.95 10.9,4.65 11.2,4.35 13.6,4.35 13.9,4.65 13.9,7.55 13.65,7.8 13.05,7.8 12.65,8.2 12.65,10.45 12.4,10.7 9.95,10.7 9.7,10.45
+24V on Top Layer "Top Layer-+24V" (solid, remove dead copper, pour order 294): 1.6,7.1 5.35,7.1 6.35,7.1 7.3,6.15 7.3,4.65 7.6,4.35 10,4.35 10.3,4.65 10.3,7.75 9.1,8.95 9.1,10.45 8.85,10.7 5.85,10.7 5.1,9.95 2.55,9.95 2.15,10.35 1.65,10.35 1.5,10.2 1.5,7.2
+24Safe on Top Layer "Top Layer+24SAFE_P269" (solid, remove dead copper, pour order 291): 1.5,15.1 1.6,15.2 3.9,15.2 4.1,15 4.1,14.25 4.2,14.15 4.65,14.15 4.75,14.05 4.75,10.5 4.65,10.4 3.05,10.4 2.95,10.5 2.95,11.3 2.8,11.45 1.6,11.45 1.5,11.55
GND on Top Layer "Top Layer-GND" (solid, remove dead copper, pour order 305): 0,56.5 65,56.5 65,0 0,0
NetC9_2 on Top Layer "Top Layer-NetC9_2" (solid, remove dead copper, pour order 288): 34.75,6.85 34.75,5.85 34.45,5.55 32.95,5.55 32.5,5.1 31.65,5.1 31.65,7.1 34.5,7.1
GND on Top Layer "Top Layer-GND 1" (solid, remove dead copper, pour order 300): 16.9,35.4 16.75,35.55 11.25,35.55 10.6,34.9 10.6,33.2 11.2,32.6 18.55,32.6 18.75,32.8 18.75,34.15 18.5,34.4 17.45,34.4 16.9,34.95
SCAP on Top Layer "Top Layer-SCAP" (solid, remove dead copper, pour order 293): 19.4,32.85 19.4,34.45 19.25,34.6 17.65,34.6 17.4,34.85 17.4,39.6 25.15,39.6 26.2,38.55 26.2,38.2 21.6,38.2 21.25,37.85 21.25,31.4 21.05,31.2
NetL2_1 on Top Layer "Top Layer-NETL2_1" (solid, remove dead copper, pour order 290): 22.7,37.5 22.85,37.65 23.95,37.65 24.1,37.5 24.1,33.139 22.15,31.212 22.15,30.95 21.45,30.95 21.45,32.5 22.7,33.75
NetC10_2 on Top Layer "Top Layer-NETQ1" (solid, remove dead copper, pour order 289): 19.6,20.65 19.2,21.05 19.2,22.45 19.45,22.7 20.4,22.7 20.65,22.95 22.3,22.95 22.5,22.75 22.5,20.85 22.3,20.65
+24VCtrl on Top Layer "Top Layer+24V" (solid, remove dead copper, pour order 292): 35.5,12.002 35.5,12.45 35,12.95 35,18.9 35.3,19.2 38.2,19.2 38.7,18.7 38.7,16.6 38.7,13.2 38.35,12.85 36.3,12.85 35.9,12.37 35.9,12.002
+5V on Top Layer "Top Layer+5V" (solid, remove dead copper, pour order 296): 26.75,20.2 26.3,20.65 22.9,20.65 22.7,20.85 22.7,22.75 22.9,22.95 29.364,22.95 29.7,22.58 29.7,2.05 29.4,1.75 27,1.75 26.75,2
+5VUPS on Top Layer "Top Layer+5VUPS" (solid, remove dead copper, pour order 298): 18.718,29.8 19.85,29.8 19.85,30.2 20.275,30.625 20.65,30.625 20.65,31.3 19.55,32.4 11,32.4 10.4,33 10.4,46.3 11.55,47.45 12.601,48.501 12.601,52.53 12.601,55.407 12.002,56.006 6.55,56.006 6.55,23.057 7.6,21.95 12.932,21.95 14.291,20.65 18.65,20.65 18.9,20.9 18.9,23.291 18.652,23.55 15.25,23.55 14.25,24.55 10.85,24.55 10.4,25 10.4,29.2 11,29.8
GND on Bottom Layer "Bottom Layer-GND" (solid, remove dead copper, pour order 307): 0,56.5 65,56.5 65,0 0,0
+3.3VPi on Top Overlay "TOP_LAYER_+3.3VPI_P305" (solid, remove dead copper, pour order 287): 45.85,49.45
GND on Int1 (GND) (split plane): 186 vertices, not listed, extent 0.51,0.51 64.49,55.99
GND on Int2 (GND) (split plane): 186 vertices, not listed, extent 0.51,0.51 64.49,55.99
+24VCtrl on Int2 (GND) (split plane): 38.299,17.487 38.299,15.663 37.287,14.651 24.563,14.651 23.751,15.463 23.751,17.537 24.563,18.349 37.437,18.349

## Keep-outs
Top Layer:
  region: 30.52,33.55 30.52,35.15 28.5,35.15 28.5,33.55
  rectangle: 26.9,32.08 28.5,36.95
  rectangle: 22.65,40.28 24.15,47.55
  rectangle: 28.05,38.95 30.1,40.95
  rectangle: 15.45,41.55 16.95,47.5
  lines w0.1: 10.65,45.9 13.15,45.9 ; 11.5,37.8 11.5,45.7 ; 11.6,40.35 14.1,40.35 ; 12.4,39.55 12.4,47.95 ; 14,47.45 14,49.95 ; 14.2,36.95 14.2,39.45 ; 20.5,47.95 20.5,50.45 ; 22.85,31.5 24.407,33.057 24.364,37.65 ; 26.55,0.9 26.55,1.6 ; 30.05,7.35 35.75,7.35 36.15,7.35 37.05,7.35 37.3,7.1 37.3,4.85 35.7,3.25 35.7,0.6 ; 42.9,13.5 43.4,13.5 ; 45,20.65 45,21.25 ; 20,26.4 20,30 20.45,30.45 23.05,30.45 23.1,30.4 23.1,26.4 23.05,26.35 20.05,26.35 20,26.4
  lines w0.2: 5.4,10.85 5.4,11.7 ; 5.4,14.55 5.4,15.4 ; 7.8,12.65 8.65,12.65 ; 13.2,12.3 13.2,13.15 ; 13.417,8.35 17.85,8.35 ; 13.417,9.15 17.85,9.15 ; 29.825,23.025 31.75,24.95 ; 30.75,43.15 30.75,49.1 ; 30.75,45.265 35.4,45.25 ; 35.4,24.95 31.75,24.95 ; 35.4,27.15 31.75,27.15 31.75,24.95
Keep-Out Layer:
  circle w0.2: c3.5,3.5 r2.7
  circle w0.2: c61.5,3.5 r2.7
  circle w0.2: c61.5,52.5 r2.7
  circle w0.2: c3.5,52.5 r2.7
  lines w0.1: 0.5,73 0.5,73
  lines w0.2: 0.125,7.475 1.4,6.2 3.5,6.2 ; 0.125,48.525 1.4,49.8 3.5,49.8 ; 5.1,25.6 ccw(c5.1,26.1) 5.6,26.1 5.6,29.7 ccw(c5.1,29.7) 5.1,30.2 ; 6.2,3.5 6.2,1.4 7.475,0.125 ; 6.2,52.5 6.2,55.1 7.475,56.375 ; 24.25,0.1 cw(c24.75,0.1) 24.75,0.6 28.35,0.6 cw(c28.35,0.1) 28.85,0.1 ; 30.2,56.5 ccw(c30.7,56.5) 30.7,56 34.3,56 ccw(c34.3,56.5) 34.8,56.5 ; 57.525,0.125 58.8,1.4 58.8,3.5 ; 57.525,56.375 57.925,56.375 58.8,55.5 58.8,52.5 ; 61.5,6.2 63.6,6.2 64.875,7.475 ; 61.5,49.8 63.6,49.8 64.875,48.525 ; 64.85,25.7 cw(c64.85,26.2) 64.35,26.2 64.35,29.8 cw(c64.85,29.8) 64.85,30.3

## Other copper
Top Layer:
  rectangle net GND: 11.1,4.55 13.6,7.45
  rectangle net +24V: 7.6,4.55 10.1,7.45
  rectangle net GND: 33,25.25 35.35,26.85
  rectangle net SCAP: 33,43.35 35.35,44.95
  rectangle net BAL: 33,38.35 35.35,39.95
  rectangle net BAL: 33,30.25 35.35,31.85
Int1 (GND) (plane layer: these items are gaps in the copper):
  rectangle: 19.05,32.4 24.54,38.14
  rectangle: 26.7,1.2 33.3,7.9
  region: 57.4,0 58.8,1.4 58.8,3.5 cw(c61.5,3.5) 61.5,6.2 63.6,6.2 65,7.6 65,3 cw(c62,3) 62,0
  region: 0,3 0,7.6 1.4,6.2 3.5,6.2 cw(c3.5,3.5) 6.2,3.5 6.2,1.4 7.6,0 3,0 cw(c3,3)
  region: 0,48.4 0,53.5 cw(c3,53.5) 3,56.5 7.6,56.5 6.2,55.1 6.2,52.5 cw(c3.5,52.5) 3.5,49.8 1.4,49.8
  region: 58.8,52.5 58.8,55.4 57.7,56.5 62,56.5 cw(c62,53.5) 65,53.5 65,48.4 63.6,49.8 61.5,49.8 cw(c61.5,52.5)
  lines w0.6: 0,3 ccw(c3,3) 3,0 7.6,0 6.2,1.4 6.2,3.5 ccw(c3.5,3.5) 3.5,6.2 1.4,6.2 0,7.6 0,3 ; 0,48.4 0,53.5 cw(c3,53.5) 3,56.5 7.6,56.5 6.2,55.1 6.2,52.5 cw(c3.5,52.5) 3.5,49.8 1.4,49.8 0,48.4 ; 57.4,0 58.8,1.4 58.8,3.5 cw(c61.5,3.5) 61.5,6.2 63.6,6.2 65,7.6 65,3 cw(c62,3) 62,0 57.4,0 ; 57.7,56.5 58.8,55.4 58.8,52.5 ccw(c61.5,52.5) 61.5,49.8 63.6,49.8 65,48.4 65,53.5 ccw(c62,53.5) 62,56.5 57.7,56.5
Int2 (GND) (plane layer: these items are gaps in the copper):
  region: 57.4,0 58.8,1.4 58.8,3.5 cw(c61.5,3.5) 61.5,6.2 63.6,6.2 65,7.6 65,3 cw(c62,3) 62,0
  region: 0,3 0,7.6 1.4,6.2 3.5,6.2 cw(c3.5,3.5) 6.2,3.5 6.2,1.4 7.6,0 3,0 cw(c3,3)
  region: 0,48.4 0,53.5 cw(c3,53.5) 3,56.5 7.6,56.5 6.2,55.1 6.2,52.5 cw(c3.5,52.5) 3.5,49.8 1.4,49.8
  region: 58.8,52.5 58.8,55.4 57.7,56.5 62,56.5 cw(c62,53.5) 65,53.5 65,48.4 63.6,49.8 61.5,49.8 cw(c61.5,52.5)
  lines w0.3: 23.6,15.4 24.5,14.5 37.35,14.5 38.45,15.6 38.45,17.55 37.5,18.5 24.5,18.5 23.6,17.6 23.6,15.4
  lines w0.6: 0,3 ccw(c3,3) 3,0 7.6,0 6.2,1.4 6.2,3.5 ccw(c3.5,3.5) 3.5,6.2 1.4,6.2 0,7.6 0,3 ; 0,48.4 0,53.5 cw(c3,53.5) 3,56.5 7.6,56.5 6.2,55.1 6.2,52.5 cw(c3.5,52.5) 3.5,49.8 1.4,49.8 0,48.4 ; 57.4,0 58.8,1.4 58.8,3.5 cw(c61.5,3.5) 61.5,6.2 63.6,6.2 65,7.6 65,3 cw(c62,3) 62,0 57.4,0 ; 57.7,56.5 58.8,55.4 58.8,52.5 ccw(c61.5,52.5) 61.5,49.8 63.6,49.8 65,48.4 65,53.5 ccw(c62,53.5) 62,56.5 57.7,56.5

## Silkscreen, mask and mechanical layers (free items; w line width, h text height)
Top Overlay:
  drawing of 18 lines, arcs and shapes, not listed
  text "CHG" at 2.95,45.9 h0.8
  text "J4-Pi3B" at 58.85,45.15 h0.8
  text "J4-Pi3B+" at 58.5,37.6 h0.8
  text "PWR" at 2.95,37.3 h0.8
  text "J4-Pi4B" at 8.15,22 h0.8
  text "Force ON" at 15.15,19 h0.8
  text ".ProjectCode" at 62.7,14.85 h2 r90
  text "+" at 5.75,6.55 h1.6
Bottom Overlay:
  drawing of 6 lines, arcs and shapes, not listed
  text "To enable the self power off / add the following instructions / at the end of the file /boot/config.sys /  / dtoverlay=gpio-poweroff,gpiopin=21 / dtoverlay=gpio-shutdown,gpio_pin=16,active_low=0" at 21.45,48.75 h0.9 r90
Board:
  lines w0.1: 0,3 ccw(c3,3) 3,0 62,0 ccw(c62,3) 65,3 65,22 65,48.4 65,53.5 ccw(c62,53.5) 62,56.5 3,56.5 ccw(c3,53.5) 0,53.5 0,37.5 ccw(c1,37.5) 1,36.5 4,36.5 cw(c4,35.5) 5,35.5 5,20.5 cw(c4,20.5) 4,19.5 1,19.5 ccw(c1,18.5) 0,18.5 0,3 ; 36,22.9 ccw(c37,22.9) 37,21.9 57,21.9 ccw(c57,22.9) 58,22.9 58,47.3 ccw(c57,47.3) 57,48.3 37,48.3 ccw(c37,47.3) 36,47.3 36,22.9 ; 44,4 ccw(c45,4) 46,4 46,19 ccw(c45,19) 44,19 44,4

## Text inside footprints (layer, text, board x,y; h text height)
J2: Top Overlay "1" at 8.9,48.1 h1 r90
J4: Top Overlay "1" at 24.53,44.54 h1